# KiCad board modern-keyboard.kicad_pcb
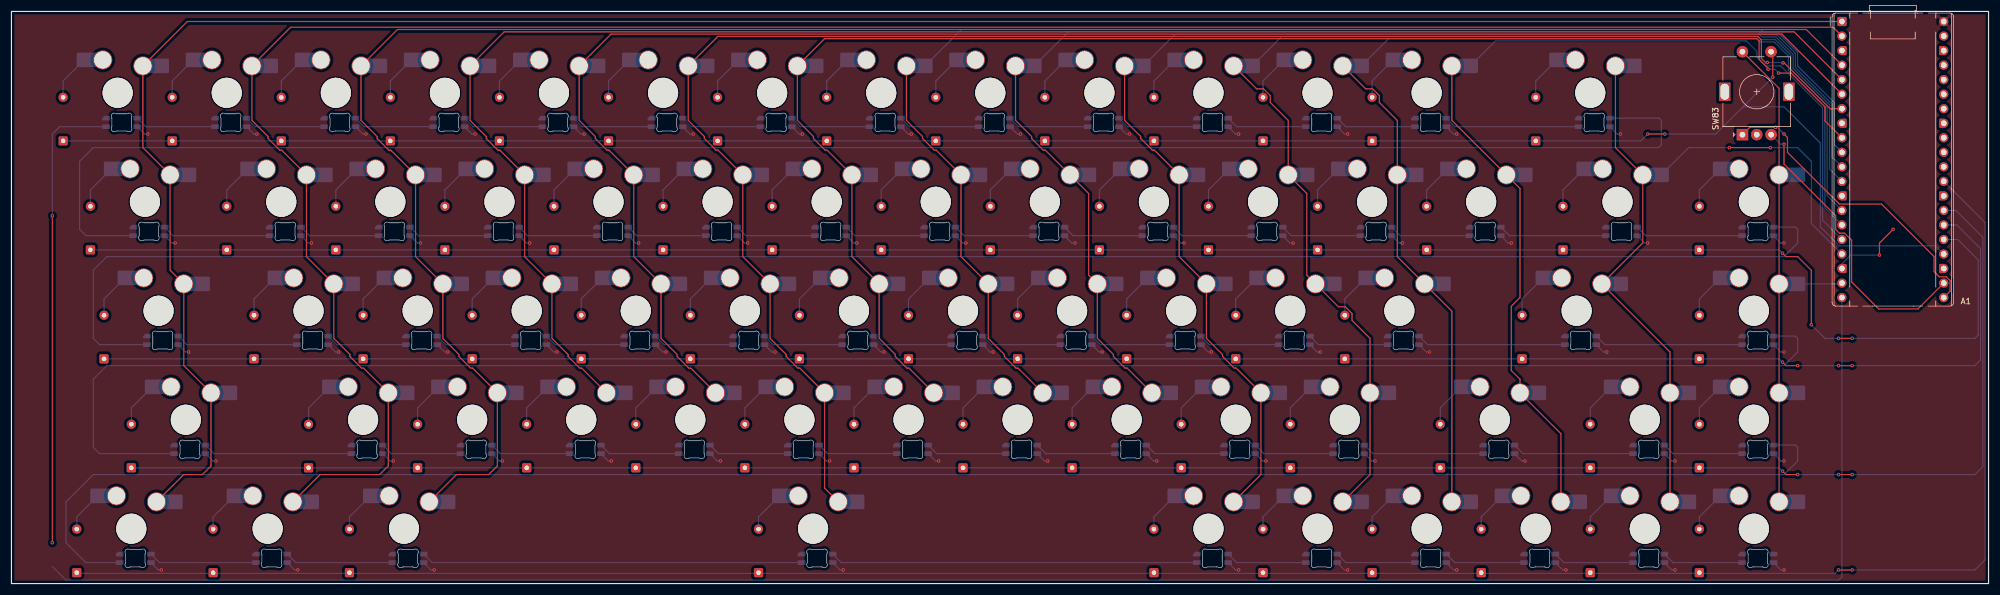
[diagram p0: board, top side]
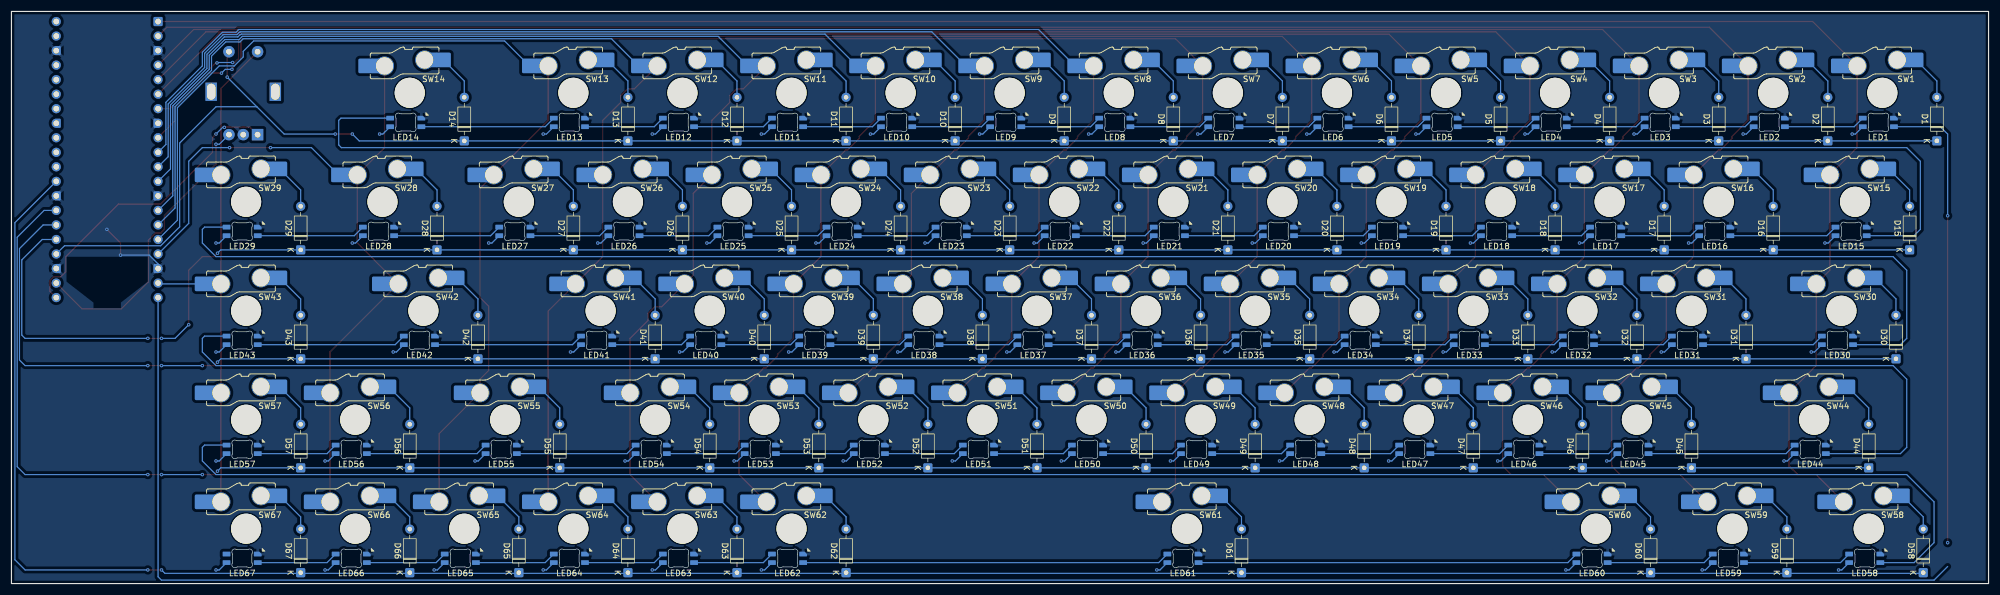
[diagram p1: board, bottom side, seen from below]

Outline 345.28 x 100.01 mm; copper layers: Top, Bottom. Coordinates in mm from the lower left corner of the outline.
Outline path: rectangle 0,100.01 345.28,0

## Placement (name value [footprint] x y rotation side)
A1  RaspberryPi_Pico  [RaspberryPi_Pico_Common_THT]  319.68 98.25 0 top
D1  D  [D_DO-35_SOD27_P7.62mm_Horizontal]  9.02 77.38 90 bottom
D2  D  [D_DO-35_SOD27_P7.62mm_Horizontal]  28.07 77.38 90 bottom
D3  D  [D_DO-35_SOD27_P7.62mm_Horizontal]  47.12 77.38 90 bottom
D4  D  [D_DO-35_SOD27_P7.62mm_Horizontal]  66.17 77.38 90 bottom
D5  D  [D_DO-35_SOD27_P7.62mm_Horizontal]  85.22 77.38 90 bottom
D6  D  [D_DO-35_SOD27_P7.62mm_Horizontal]  104.27 77.38 90 bottom
D7  D  [D_DO-35_SOD27_P7.62mm_Horizontal]  123.32 77.38 90 bottom
D8  D  [D_DO-35_SOD27_P7.62mm_Horizontal]  142.37 77.38 90 bottom
D9  D  [D_DO-35_SOD27_P7.62mm_Horizontal]  161.42 77.38 90 bottom
D10  D  [D_DO-35_SOD27_P7.62mm_Horizontal]  180.47 77.38 90 bottom
D11  D  [D_DO-35_SOD27_P7.62mm_Horizontal]  199.52 77.38 90 bottom
D12  D  [D_DO-35_SOD27_P7.62mm_Horizontal]  218.57 77.38 90 bottom
D13  D  [D_DO-35_SOD27_P7.62mm_Horizontal]  237.62 77.38 90 bottom
D14  D  [D_DO-35_SOD27_P7.62mm_Horizontal]  266.2 77.38 90 bottom
D15  D  [D_DO-35_SOD27_P7.62mm_Horizontal]  13.79 58.33 90 bottom
D16  D  [D_DO-35_SOD27_P7.62mm_Horizontal]  37.6 58.33 90 bottom
D17  D  [D_DO-35_SOD27_P7.62mm_Horizontal]  56.65 58.33 90 bottom
D18  D  [D_DO-35_SOD27_P7.62mm_Horizontal]  75.7 58.33 90 bottom
D19  D  [D_DO-35_SOD27_P7.62mm_Horizontal]  94.75 58.33 90 bottom
D20  D  [D_DO-35_SOD27_P7.62mm_Horizontal]  113.8 58.33 90 bottom
D21  D  [D_DO-35_SOD27_P7.62mm_Horizontal]  132.85 58.33 90 bottom
D22  D  [D_DO-35_SOD27_P7.62mm_Horizontal]  151.9 58.33 90 bottom
D23  D  [D_DO-35_SOD27_P7.62mm_Horizontal]  170.95 58.33 90 bottom
D24  D  [D_DO-35_SOD27_P7.62mm_Horizontal]  190 58.33 90 bottom
D25  D  [D_DO-35_SOD27_P7.62mm_Horizontal]  209.05 58.33 90 bottom
D26  D  [D_DO-35_SOD27_P7.62mm_Horizontal]  228.1 58.33 90 bottom
D27  D  [D_DO-35_SOD27_P7.62mm_Horizontal]  247.15 58.33 90 bottom
D28  D  [D_DO-35_SOD27_P7.62mm_Horizontal]  270.96 58.33 90 bottom
D29  D  [D_DO-35_SOD27_P7.62mm_Horizontal]  294.77 58.33 90 bottom
D30  D  [D_DO-35_SOD27_P7.62mm_Horizontal]  16.17 39.28 90 bottom
D31  D  [D_DO-35_SOD27_P7.62mm_Horizontal]  42.36 39.28 90 bottom
D32  D  [D_DO-35_SOD27_P7.62mm_Horizontal]  61.41 39.28 90 bottom
D33  D  [D_DO-35_SOD27_P7.62mm_Horizontal]  80.46 39.28 90 bottom
D34  D  [D_DO-35_SOD27_P7.62mm_Horizontal]  99.51 39.28 90 bottom
D35  D  [D_DO-35_SOD27_P7.62mm_Horizontal]  118.56 39.28 90 bottom
D36  D  [D_DO-35_SOD27_P7.62mm_Horizontal]  137.61 39.28 90 bottom
D37  D  [D_DO-35_SOD27_P7.62mm_Horizontal]  156.66 39.28 90 bottom
D38  D  [D_DO-35_SOD27_P7.62mm_Horizontal]  175.71 39.28 90 bottom
D39  D  [D_DO-35_SOD27_P7.62mm_Horizontal]  194.76 39.28 90 bottom
D40  D  [D_DO-35_SOD27_P7.62mm_Horizontal]  213.81 39.28 90 bottom
D41  D  [D_DO-35_SOD27_P7.62mm_Horizontal]  232.86 39.28 90 bottom
D42  D  [D_DO-35_SOD27_P7.62mm_Horizontal]  263.82 39.28 90 bottom
D43  D  [D_DO-35_SOD27_P7.62mm_Horizontal]  294.77 39.28 90 bottom
D44  D  [D_DO-35_SOD27_P7.62mm_Horizontal]  20.93 20.23 90 bottom
D45  D  [D_DO-35_SOD27_P7.62mm_Horizontal]  51.89 20.23 90 bottom
D46  D  [D_DO-35_SOD27_P7.62mm_Horizontal]  70.94 20.23 90 bottom
D47  D  [D_DO-35_SOD27_P7.62mm_Horizontal]  89.99 20.23 90 bottom
D48  D  [D_DO-35_SOD27_P7.62mm_Horizontal]  109.04 20.23 90 bottom
D49  D  [D_DO-35_SOD27_P7.62mm_Horizontal]  128.09 20.23 90 bottom
D50  D  [D_DO-35_SOD27_P7.62mm_Horizontal]  147.14 20.23 90 bottom
D51  D  [D_DO-35_SOD27_P7.62mm_Horizontal]  166.19 20.23 90 bottom
D52  D  [D_DO-35_SOD27_P7.62mm_Horizontal]  185.24 20.23 90 bottom
D53  D  [D_DO-35_SOD27_P7.62mm_Horizontal]  204.29 20.23 90 bottom
D54  D  [D_DO-35_SOD27_P7.62mm_Horizontal]  223.34 20.23 90 bottom
D55  D  [D_DO-35_SOD27_P7.62mm_Horizontal]  249.53 20.23 90 bottom
D56  D  [D_DO-35_SOD27_P7.62mm_Horizontal]  275.72 20.23 90 bottom
D57  D  [D_DO-35_SOD27_P7.62mm_Horizontal]  294.77 20.23 90 bottom
D58  D  [D_DO-35_SOD27_P7.62mm_Horizontal]  11.41 1.9 90 bottom
D59  D  [D_DO-35_SOD27_P7.62mm_Horizontal]  35.22 1.9 90 bottom
D60  D  [D_DO-35_SOD27_P7.62mm_Horizontal]  59.03 1.9 90 bottom
D61  D  [D_DO-35_SOD27_P7.62mm_Horizontal]  130.47 1.9 90 bottom
D62  D  [D_DO-35_SOD27_P7.62mm_Horizontal]  199.52 1.9 90 bottom
D63  D  [D_DO-35_SOD27_P7.62mm_Horizontal]  218.57 1.9 90 bottom
D64  D  [D_DO-35_SOD27_P7.62mm_Horizontal]  237.62 1.9 90 bottom
D65  D  [D_DO-35_SOD27_P7.62mm_Horizontal]  256.67 1.9 90 bottom
D66  D  [D_DO-35_SOD27_P7.62mm_Horizontal]  275.72 1.9 90 bottom
D67  D  [D_DO-35_SOD27_P7.62mm_Horizontal]  294.77 1.9 90 bottom
LED1  SK6812MINI-E  [LED_KS33_6028R-ROT]  19.24 80.61 0 bottom
LED2  SK6812MINI-E  [LED_KS33_6028R-ROT]  38.29 80.61 0 bottom
LED3  SK6812MINI-E  [LED_KS33_6028R-ROT]  57.34 80.61 0 bottom
LED4  SK6812MINI-E  [LED_KS33_6028R-ROT]  76.39 80.61 0 bottom
LED5  SK6812MINI-E  [LED_KS33_6028R-ROT]  95.44 80.61 0 bottom
LED6  SK6812MINI-E  [LED_KS33_6028R-ROT]  114.49 80.61 0 bottom
LED7  SK6812MINI-E  [LED_KS33_6028R-ROT]  133.54 80.61 0 bottom
LED8  SK6812MINI-E  [LED_KS33_6028R-ROT]  152.59 80.61 0 bottom
LED9  SK6812MINI-E  [LED_KS33_6028R-ROT]  171.64 80.61 0 bottom
LED10  SK6812MINI-E  [LED_KS33_6028R-ROT]  190.69 80.61 0 bottom
LED11  SK6812MINI-E  [LED_KS33_6028R-ROT]  209.74 80.61 0 bottom
LED12  SK6812MINI-E  [LED_KS33_6028R-ROT]  228.79 80.61 0 bottom
LED13  SK6812MINI-E  [LED_KS33_6028R-ROT]  247.84 80.61 0 bottom
LED14  SK6812MINI-E  [LED_KS33_6028R-ROT]  276.42 80.61 0 bottom
LED15  SK6812MINI-E  [LED_KS33_6028R-ROT]  24.01 61.56 0 bottom
LED16  SK6812MINI-E  [LED_KS33_6028R-ROT]  47.82 61.56 0 bottom
LED17  SK6812MINI-E  [LED_KS33_6028R-ROT]  66.87 61.56 0 bottom
LED18  SK6812MINI-E  [LED_KS33_6028R-ROT]  85.92 61.56 0 bottom
LED19  SK6812MINI-E  [LED_KS33_6028R-ROT]  104.97 61.56 0 bottom
LED20  SK6812MINI-E  [LED_KS33_6028R-ROT]  124.02 61.56 0 bottom
LED21  SK6812MINI-E  [LED_KS33_6028R-ROT]  143.07 61.56 0 bottom
LED22  SK6812MINI-E  [LED_KS33_6028R-ROT]  162.12 61.56 0 bottom
LED23  SK6812MINI-E  [LED_KS33_6028R-ROT]  181.17 61.56 0 bottom
LED24  SK6812MINI-E  [LED_KS33_6028R-ROT]  200.22 61.56 0 bottom
LED25  SK6812MINI-E  [LED_KS33_6028R-ROT]  219.27 61.56 0 bottom
LED26  SK6812MINI-E  [LED_KS33_6028R-ROT]  238.32 61.56 0 bottom
LED27  SK6812MINI-E  [LED_KS33_6028R-ROT]  257.37 61.56 0 bottom
LED28  SK6812MINI-E  [LED_KS33_6028R-ROT]  281.18 61.56 0 bottom
LED29  SK6812MINI-E  [LED_KS33_6028R-ROT]  304.99 61.56 0 bottom
LED30  SK6812MINI-E  [LED_KS33_6028R-ROT]  26.39 42.51 0 bottom
LED31  SK6812MINI-E  [LED_KS33_6028R-ROT]  52.58 42.51 0 bottom
LED32  SK6812MINI-E  [LED_KS33_6028R-ROT]  71.63 42.51 0 bottom
LED33  SK6812MINI-E  [LED_KS33_6028R-ROT]  90.68 42.51 0 bottom
LED34  SK6812MINI-E  [LED_KS33_6028R-ROT]  109.73 42.51 0 bottom
LED35  SK6812MINI-E  [LED_KS33_6028R-ROT]  128.78 42.51 0 bottom
LED36  SK6812MINI-E  [LED_KS33_6028R-ROT]  147.83 42.51 0 bottom
LED37  SK6812MINI-E  [LED_KS33_6028R-ROT]  166.88 42.51 0 bottom
LED38  SK6812MINI-E  [LED_KS33_6028R-ROT]  185.93 42.51 0 bottom
LED39  SK6812MINI-E  [LED_KS33_6028R-ROT]  204.98 42.51 0 bottom
LED40  SK6812MINI-E  [LED_KS33_6028R-ROT]  224.03 42.51 0 bottom
LED41  SK6812MINI-E  [LED_KS33_6028R-ROT]  243.08 42.51 0 bottom
LED42  SK6812MINI-E  [LED_KS33_6028R-ROT]  274.04 42.51 0 bottom
LED43  SK6812MINI-E  [LED_KS33_6028R-ROT]  304.99 42.51 0 bottom
LED44  SK6812MINI-E  [LED_KS33_6028R-ROT]  31.15 23.46 0 bottom
LED45  SK6812MINI-E  [LED_KS33_6028R-ROT]  62.11 23.46 0 bottom
LED46  SK6812MINI-E  [LED_KS33_6028R-ROT]  81.16 23.46 0 bottom
LED47  SK6812MINI-E  [LED_KS33_6028R-ROT]  100.21 23.46 0 bottom
LED48  SK6812MINI-E  [LED_KS33_6028R-ROT]  119.26 23.46 0 bottom
LED49  SK6812MINI-E  [LED_KS33_6028R-ROT]  138.31 23.46 0 bottom
LED50  SK6812MINI-E  [LED_KS33_6028R-ROT]  157.36 23.46 0 bottom
LED51  SK6812MINI-E  [LED_KS33_6028R-ROT]  176.41 23.46 0 bottom
LED52  SK6812MINI-E  [LED_KS33_6028R-ROT]  195.46 23.46 0 bottom
LED53  SK6812MINI-E  [LED_KS33_6028R-ROT]  214.51 23.46 0 bottom
LED54  SK6812MINI-E  [LED_KS33_6028R-ROT]  233.56 23.46 0 bottom
LED55  SK6812MINI-E  [LED_KS33_6028R-ROT]  259.75 23.46 0 bottom
LED56  SK6812MINI-E  [LED_KS33_6028R-ROT]  285.94 23.46 0 bottom
LED57  SK6812MINI-E  [LED_KS33_6028R-ROT]  304.99 23.46 0 bottom
LED58  SK6812MINI-E  [LED_KS33_6028R-ROT]  21.62 4.41 0 bottom
LED59  SK6812MINI-E  [LED_KS33_6028R-ROT]  45.44 4.41 0 bottom
LED60  SK6812MINI-E  [LED_KS33_6028R-ROT]  69.25 4.41 0 bottom
LED61  SK6812MINI-E  [LED_KS33_6028R-ROT]  140.69 4.41 0 bottom
LED62  SK6812MINI-E  [LED_KS33_6028R-ROT]  209.74 4.41 0 bottom
LED63  SK6812MINI-E  [LED_KS33_6028R-ROT]  228.79 4.41 0 bottom
LED64  SK6812MINI-E  [LED_KS33_6028R-ROT]  247.84 4.41 0 bottom
LED65  SK6812MINI-E  [LED_KS33_6028R-ROT]  266.89 4.41 0 bottom
LED66  SK6812MINI-E  [LED_KS33_6028R-ROT]  285.94 4.41 0 bottom
LED67  SK6812MINI-E  [LED_KS33_6028R-ROT]  304.99 4.41 0 bottom
SW1  SW_Push_45deg  [SW_KS33_HS_KS-2P02B01-02_HS_1u]  18.55 85.79 0 bottom
SW2  SW_Push_45deg  [SW_KS33_HS_KS-2P02B01-02_HS_1u]  37.6 85.79 0 bottom
SW3  SW_Push_45deg  [SW_KS33_HS_KS-2P02B01-02_HS_1u]  56.65 85.79 0 bottom
SW4  SW_Push_45deg  [SW_KS33_HS_KS-2P02B01-02_HS_1u]  75.7 85.79 0 bottom
SW5  SW_Push_45deg  [SW_KS33_HS_KS-2P02B01-02_HS_1u]  94.75 85.79 0 bottom
SW6  SW_Push_45deg  [SW_KS33_HS_KS-2P02B01-02_HS_1u]  113.8 85.79 0 bottom
SW7  SW_Push_45deg  [SW_KS33_HS_KS-2P02B01-02_HS_1u]  132.85 85.79 0 bottom
SW8  SW_Push_45deg  [SW_KS33_HS_KS-2P02B01-02_HS_1u]  151.9 85.79 0 bottom
SW9  SW_Push_45deg  [SW_KS33_HS_KS-2P02B01-02_HS_1u]  170.95 85.79 0 bottom
SW10  SW_Push_45deg  [SW_KS33_HS_KS-2P02B01-02_HS_1u]  190 85.79 0 bottom
SW11  SW_Push_45deg  [SW_KS33_HS_KS-2P02B01-02_HS_1u]  209.05 85.79 0 bottom
SW12  SW_Push_45deg  [SW_KS33_HS_KS-2P02B01-02_HS_1u]  228.1 85.79 0 bottom
SW13  SW_Push_45deg  [SW_KS33_HS_KS-2P02B01-02_HS_1u]  247.15 85.79 0 bottom
SW14  SW_Push_45deg  [SW_KS33_HS_KS-2P02B01-02_HS_2u]  275.72 85.79 0 bottom
SW15  SW_Push_45deg  [SW_KS33_HS_KS-2P02B01-02_1.5u]  23.31 66.74 0 bottom
SW16  SW_Push_45deg  [SW_KS33_HS_KS-2P02B01-02_HS_1u]  47.12 66.74 0 bottom
SW17  SW_Push_45deg  [SW_KS33_HS_KS-2P02B01-02_HS_1u]  66.17 66.74 0 bottom
SW18  SW_Push_45deg  [SW_KS33_HS_KS-2P02B01-02_HS_1u]  85.22 66.74 0 bottom
SW19  SW_Push_45deg  [SW_KS33_HS_KS-2P02B01-02_HS_1u]  104.27 66.74 0 bottom
SW20  SW_Push_45deg  [SW_KS33_HS_KS-2P02B01-02_HS_1u]  123.32 66.74 0 bottom
SW21  SW_Push_45deg  [SW_KS33_HS_KS-2P02B01-02_HS_1u]  142.37 66.74 0 bottom
SW22  SW_Push_45deg  [SW_KS33_HS_KS-2P02B01-02_HS_1u]  161.42 66.74 0 bottom
SW23  SW_Push_45deg  [SW_KS33_HS_KS-2P02B01-02_HS_1u]  180.47 66.74 0 bottom
SW24  SW_Push_45deg  [SW_KS33_HS_KS-2P02B01-02_HS_1u]  199.52 66.74 0 bottom
SW25  SW_Push_45deg  [SW_KS33_HS_KS-2P02B01-02_HS_1u]  218.57 66.74 0 bottom
SW26  SW_Push_45deg  [SW_KS33_HS_KS-2P02B01-02_HS_1u]  237.62 66.74 0 bottom
SW27  SW_Push_45deg  [SW_KS33_HS_KS-2P02B01-02_HS_1u]  256.67 66.74 0 bottom
SW28  SW_Push_45deg  [SW_KS33_HS_KS-2P02B01-02_1.5u]  280.49 66.74 0 bottom
SW29  SW_Push_45deg  [SW_KS33_HS_KS-2P02B01-02_HS_1u]  304.3 66.74 0 bottom
SW30  SW_Push_45deg  [SW_KS33_HS_KS-2P02B01-02_1.75u]  25.69 47.69 0 bottom
SW31  SW_Push_45deg  [SW_KS33_HS_KS-2P02B01-02_HS_1u]  51.89 47.69 0 bottom
SW32  SW_Push_45deg  [SW_KS33_HS_KS-2P02B01-02_HS_1u]  70.94 47.69 0 bottom
SW33  SW_Push_45deg  [SW_KS33_HS_KS-2P02B01-02_HS_1u]  89.99 47.69 0 bottom
SW34  SW_Push_45deg  [SW_KS33_HS_KS-2P02B01-02_HS_1u]  109.04 47.69 0 bottom
SW35  SW_Push_45deg  [SW_KS33_HS_KS-2P02B01-02_HS_1u]  128.09 47.69 0 bottom
SW36  SW_Push_45deg  [SW_KS33_HS_KS-2P02B01-02_HS_1u]  147.14 47.69 0 bottom
SW37  SW_Push_45deg  [SW_KS33_HS_KS-2P02B01-02_HS_1u]  166.19 47.69 0 bottom
SW38  SW_Push_45deg  [SW_KS33_HS_KS-2P02B01-02_HS_1u]  185.24 47.69 0 bottom
SW39  SW_Push_45deg  [SW_KS33_HS_KS-2P02B01-02_HS_1u]  204.29 47.69 0 bottom
SW40  SW_Push_45deg  [SW_KS33_HS_KS-2P02B01-02_HS_1u]  223.34 47.69 0 bottom
SW41  SW_Push_45deg  [SW_KS33_HS_KS-2P02B01-02_HS_1u]  242.39 47.69 0 bottom
SW42  SW_Push_45deg  [SW_KS33_HS_KS-2P02B01-02_HS_2.25u]  273.34 47.69 0 bottom
SW43  SW_Push_45deg  [SW_KS33_HS_KS-2P02B01-02_HS_1u]  304.3 47.69 0 bottom
SW44  SW_Push_45deg  [SW_KS33_HS_KS-2P02B01-02_HS_2.25u]  30.45 28.64 0 bottom
SW45  SW_Push_45deg  [SW_KS33_HS_KS-2P02B01-02_HS_1u]  61.41 28.64 0 bottom
SW46  SW_Push_45deg  [SW_KS33_HS_KS-2P02B01-02_HS_1u]  80.46 28.64 0 bottom
SW47  SW_Push_45deg  [SW_KS33_HS_KS-2P02B01-02_HS_1u]  99.51 28.64 0 bottom
SW48  SW_Push_45deg  [SW_KS33_HS_KS-2P02B01-02_HS_1u]  118.56 28.64 0 bottom
SW49  SW_Push_45deg  [SW_KS33_HS_KS-2P02B01-02_HS_1u]  137.61 28.64 0 bottom
SW50  SW_Push_45deg  [SW_KS33_HS_KS-2P02B01-02_HS_1u]  156.66 28.64 0 bottom
SW51  SW_Push_45deg  [SW_KS33_HS_KS-2P02B01-02_HS_1u]  175.71 28.64 0 bottom
SW52  SW_Push_45deg  [SW_KS33_HS_KS-2P02B01-02_HS_1u]  194.76 28.64 0 bottom
SW53  SW_Push_45deg  [SW_KS33_HS_KS-2P02B01-02_HS_1u]  213.81 28.64 0 bottom
SW54  SW_Push_45deg  [SW_KS33_HS_KS-2P02B01-02_HS_1u]  232.86 28.64 0 bottom
SW55  SW_Push_45deg  [SW_KS33_HS_KS-2P02B01-02_1.75u]  259.06 28.64 0 bottom
SW56  SW_Push_45deg  [SW_KS33_HS_KS-2P02B01-02_HS_1u]  285.25 28.64 0 bottom
SW57  SW_Push_45deg  [SW_KS33_HS_KS-2P02B01-02_HS_1u]  304.3 28.64 0 bottom
SW58  SW_Push_45deg  [SW_KS33_HS_KS-2P02B01-02_1.25u]  20.93 9.59 0 bottom
SW59  SW_Push_45deg  [SW_KS33_HS_KS-2P02B01-02_1.25u]  44.74 9.59 0 bottom
SW60  SW_Push_45deg  [SW_KS33_HS_KS-2P02B01-02_1.25u]  68.55 9.59 0 bottom
SW61  SW_Push_45deg  [SW_KS33_HS_KS-2P02B01-02_HS_6.25u]  139.99 9.59 0 bottom
SW62  SW_Push_45deg  [SW_KS33_HS_KS-2P02B01-02_HS_1u]  209.05 9.59 0 bottom
SW63  SW_Push_45deg  [SW_KS33_HS_KS-2P02B01-02_HS_1u]  228.1 9.59 0 bottom
SW64  SW_Push_45deg  [SW_KS33_HS_KS-2P02B01-02_HS_1u]  247.15 9.59 0 bottom
SW65  SW_Push_45deg  [SW_KS33_HS_KS-2P02B01-02_HS_1u]  266.2 9.59 0 bottom
SW66  SW_Push_45deg  [SW_KS33_HS_KS-2P02B01-02_HS_1u]  285.25 9.59 0 bottom
SW67  SW_Push_45deg  [SW_KS33_HS_KS-2P02B01-02_HS_1u]  304.3 9.59 0 bottom
SW83  RotaryEncoder_Switch  [RotaryEncoder_Alps_EC11E-Switch_Vertical_H20mm]  302.3 78.47 90 top

## Library data of the parts
A1 = -: Datasheet: https://datasheets.raspberrypi.com/pico/pico-datasheet.pdf; Description: Versatile and inexpensive microcontroller module (with full pinout for test point and debug connections) powered by RP2040 dual-core Arm Cortex-M0+ processor up to 133 MHz, 264kB SRAM, 2MB QSPI flash; also supports Raspberry Pi Pico 2; ki_fp_filters: RaspberryPi?Pico?SMD
D1-D67 = -: Description: Diode; Sim.Pins: 1=K 2=A; ki_fp_filters: TO-???* *_Diode_* *SingleDiode* D_*
LED1-LED67 = -: Description: Reverse mount adressable LED (WS2812 protocol)
SW1-SW67 = -: Description: Push button switch, normally open, two pins, 45° tilted
SW83 = -: Description: Rotary encoder, dual channel, incremental quadrate outputs, with switch; ki_fp_filters: RotaryEncoder*Switch*

## Footprints (pads in the part's own frame, mm; a bottom-side part is the same pattern mirrored in y, then rotated)
D_DO-35_SOD27_P7.62mm_Horizontal
  rrect 1.6x1.6 hole 0.8: 1(0,0)
  round 1.6 hole 0.8: 2(7.62,0)
LED_KS33_6028R-ROT
  rrect 1.35x0.82 smd: 1(2.725,0.75) 2(2.725,-0.75) 3(-2.725,0.75) 4(-2.725,-0.75)
RaspberryPi_Pico_Common_THT
  rrect 1.6x1.6 hole 1: 1(0,0)
  round 1.6 hole 1: 2(0,-2.54) 4(0,-7.62) 5(0,-10.16) 6(0,-12.7) 7(0,-15.24) 9(0,-20.32) 10(0,-22.86) 11(0,-25.4) 12(0,-27.94) 14(0,-33.02) 15(0,-35.56) 16(0,-38.1) 17(0,-40.64) 19(0,-45.72) 20(0,-48.26) 21(17.78,-48.26) 22(17.78,-45.72) 24(17.78,-40.64) 25(17.78,-38.1) 26(17.78,-35.56) 27(17.78,-33.02) 29(17.78,-27.94) 30(17.78,-25.4) 31(17.78,-22.86) 32(17.78,-20.32) 34(17.78,-15.24) 35(17.78,-12.7) 36(17.78,-10.16) 37(17.78,-7.62) 39(17.78,-2.54) 40(17.78,0)
  custom 1.6x1.6 hole 1: 3(0,-5.08) 8(0,-17.78) 13(0,-30.48) 18(0,-43.18) 23(17.78,-43.18) 28(17.78,-30.48) 33(17.78,-17.78) 38(17.78,-5.08)
RotaryEncoder_Alps_EC11E-Switch_Vertical_H20mm
  rect 2x2 hole 1: A(0,0)
  round 2 hole 1: B(0,-5) C(0,-2.5) S1(14.5,-5) S2(14.5,0)
  rect 3.2x2 hole 2.8x1.5: MP(7.5,3.1) MP(7.5,-8.1)
SW_KS33_HS_KS-2P02B01-02_1.5u
  round 5.25 hole 5.25 unplated: (0,0)
  round 3.3 hole 3: 1(4.4,-4.7) 2(-2.6,-5.75)
  rect 1.2x2.55 smd: 1(5.95,-4.7) 2(-4.15,-5.75)
  rrect 2.65x2.55 smd: 1(7.645,-4.7) 2(-5.845,-5.75)
SW_KS33_HS_KS-2P02B01-02_1.25u
  round 5.25 hole 5.25 unplated: (0,0)
  round 3.3 hole 3: 1(4.4,-4.7) 2(-2.6,-5.75)
  rect 1.2x2.55 smd: 1(5.95,-4.7) 2(-4.15,-5.75)
  rrect 2.65x2.55 smd: 1(7.645,-4.7) 2(-5.845,-5.75)
SW_KS33_HS_KS-2P02B01-02_1.75u
  round 5.25 hole 5.25 unplated: (0,0)
  round 3.3 hole 3: 1(4.4,-4.7) 2(-2.6,-5.75)
  rect 1.2x2.55 smd: 1(5.95,-4.7) 2(-4.15,-5.75)
  rrect 2.65x2.55 smd: 1(7.645,-4.7) 2(-5.845,-5.75)
SW_KS33_HS_KS-2P02B01-02_HS_1u
  round 5.25 hole 5.25 unplated: (0,0)
  round 3.3 hole 3: 1(4.4,-4.7) 2(-2.6,-5.75)
  rect 1.2x2.55 smd: 1(5.95,-4.7) 2(-4.15,-5.75)
  rrect 2.65x2.55 smd: 1(7.645,-4.7) 2(-5.845,-5.75)
SW_KS33_HS_KS-2P02B01-02_HS_2.25u
  round 5.25 hole 5.25 unplated: (0,0)
  round 3.3 hole 3: 1(4.4,-4.7) 2(-2.6,-5.75)
  rect 1.2x2.55 smd: 1(5.95,-4.7) 2(-4.15,-5.75)
  rrect 2.65x2.55 smd: 1(7.645,-4.7) 2(-5.845,-5.75)
SW_KS33_HS_KS-2P02B01-02_HS_2u
  round 5.25 hole 5.25 unplated: (0,0)
  round 3.3 hole 3: 1(4.4,-4.7) 2(-2.6,-5.75)
  rect 1.2x2.55 smd: 1(5.95,-4.7) 2(-4.15,-5.75)
  rrect 2.65x2.55 smd: 1(7.645,-4.7) 2(-5.845,-5.75)
SW_KS33_HS_KS-2P02B01-02_HS_6.25u
  round 5.25 hole 5.25 unplated: (0,0)
  round 3.3 hole 3: 1(4.4,-4.7) 2(-2.6,-5.75)
  rect 1.2x2.55 smd: 1(5.95,-4.7) 2(-4.15,-5.75)
  rrect 2.65x2.55 smd: 1(7.645,-4.7) 2(-5.845,-5.75)
